# Altium PCB tagIT_pcb.PcbDoc (part 1 of 2) (continued)
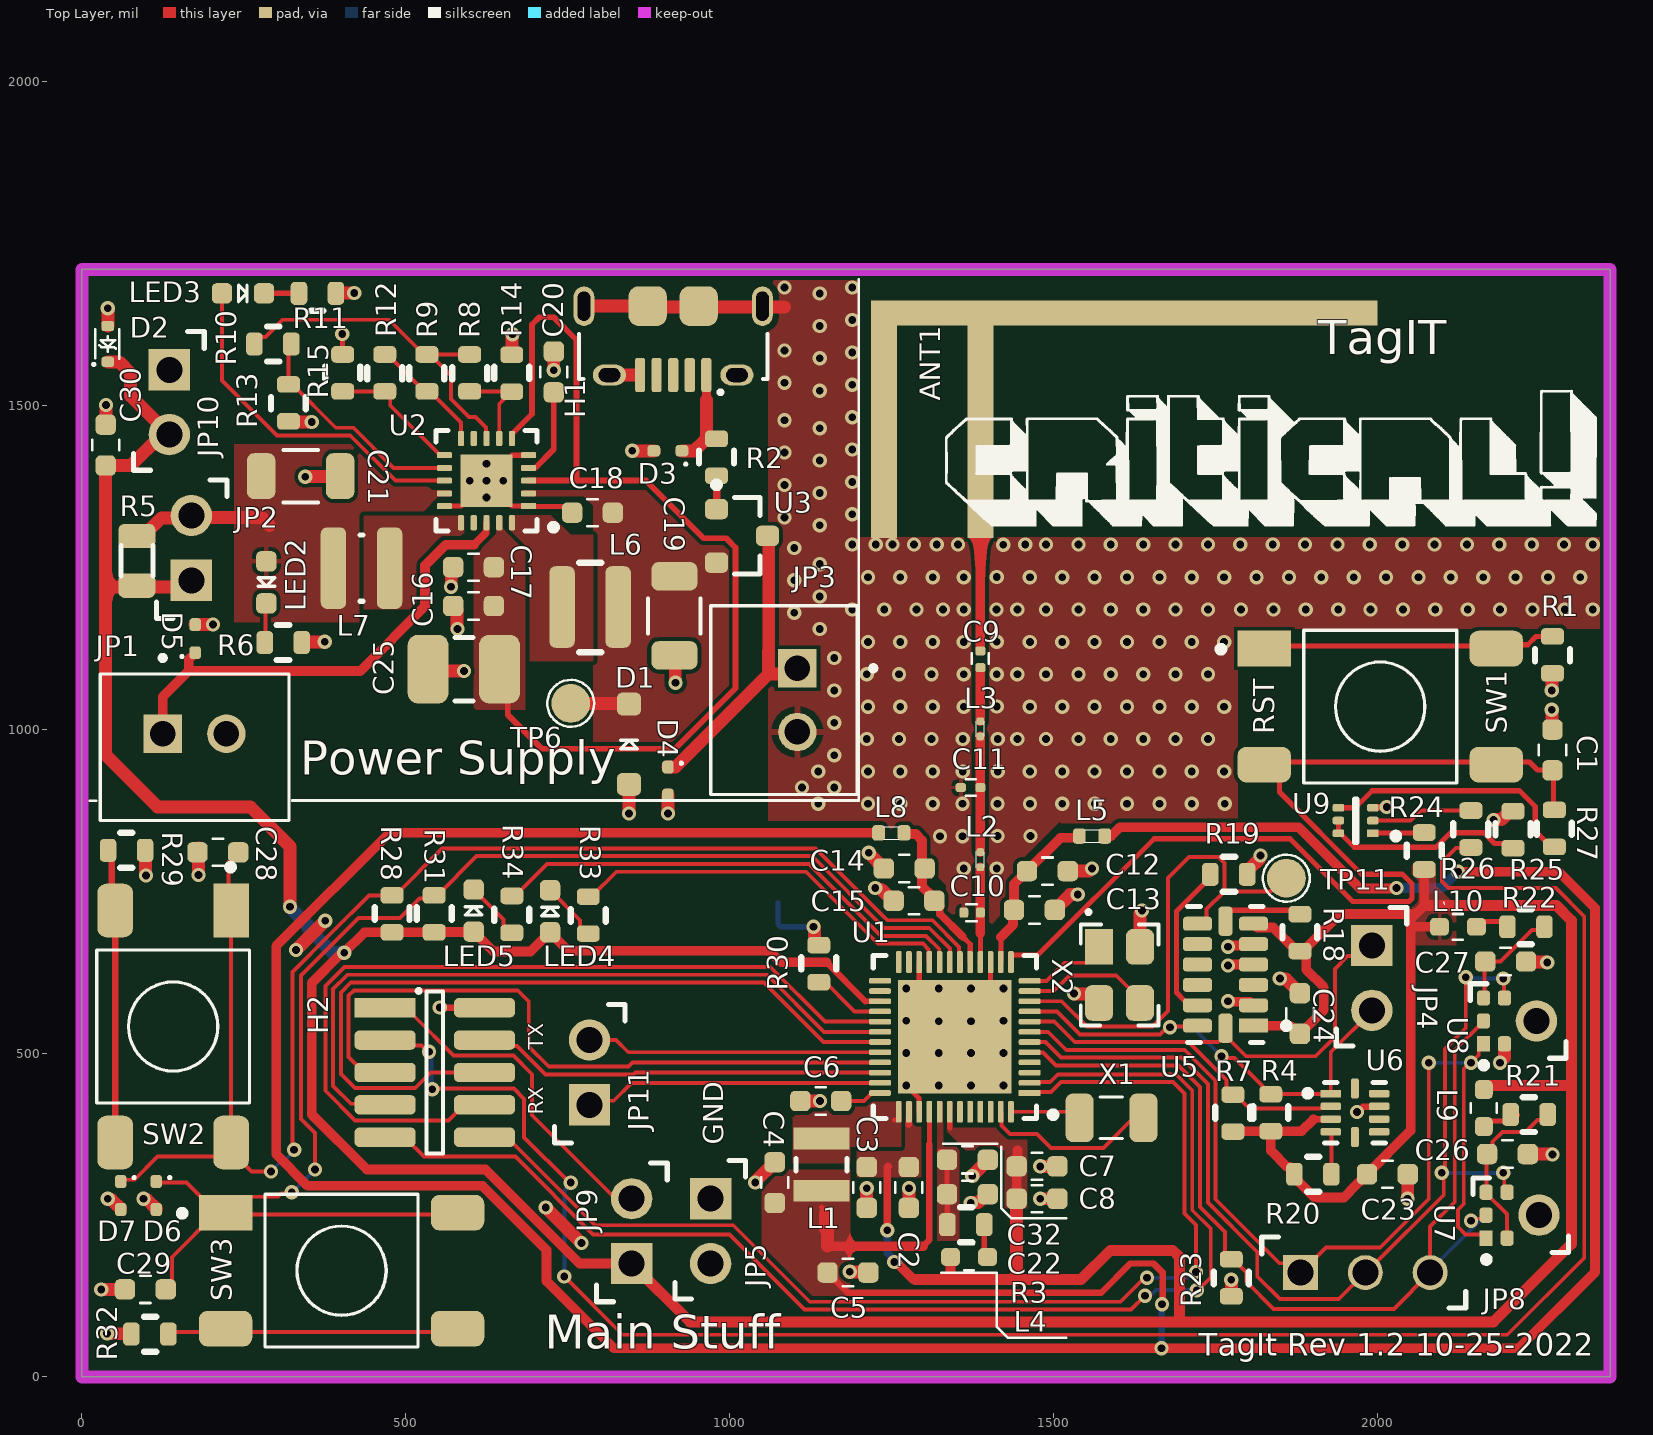
[diagram p0: Top Layer view]
## Part data (continued)
R3 R21 R22: library part RNCP0603FTD1R00, "Res Thin Film 0603 1 Ohm 1% 0.125W(1/8W) ±100ppm/C Sulfur Resistant Pad SMD T/R", Case Code (Imperial)=0603, Case Code (Metric)=1608, Manufacturer="Stackpole Electronics", Max Operating Temperature=155°C, Max Power Dissipation=125mW, Min Operating Temperature=-55°C, Resistance=1R, Resistor Type="Thin Film", Temperature Coefficient=100ppm/°C, Tolerance=1%, Case/Package=0603, Category="Chip SMD Resistors", ComponentLink1Description=http://www.seielect.com/Catalog/SEI-rncp.pdf?src-supplier=Digi-Key, ComponentLink1URL=http://www.seielect.com/Catalog/SEI-rncp.pdf?src-supplier=Digi-Key, ComponentLink2Description=https://www.seielect.com/catalog/SEI-Packaging.pdf?src-supplier=Digi-Key, ComponentLink2URL=https://www.seielect.com/catalog/SEI-Packaging.pdf?src-supplier=Digi-Key, Features="Moisture Resistant,Anti-Sulfur", Height=0.02inch, Length=0.059inch, Manufacturer Part Number=RNCP0603FTD1R00, Mount="Surface Mount", Number of Terminations=2, Packaging="Tape and Reel", Pricing 1="1=0.10000, 10=0.06100, 100=0.02480, 1000=0.01113, 2500=0.00966 (USD)", RoHS=Yes, RoHS Compliant=Yes, Series=RNCP, Stock 1=1078856, Supplier 1=Digi-Key, Width=0.031inch
R4 R7: library part RC0603FR-072K8L, "Res Thick Film 0603 2.8K Ohm 1% 1/10W ±100ppm/°C Molded SMD Paper T/R", Case Code (Imperial)=0603, Case Code (Metric)=1608, Manufacturer=Yageo, Max Operating Temperature=155°C, Max Power Dissipation=100mW, Min Operating Temperature=-55°C, Package Quantity=1, Resistance=2.8kR, Resistor Type="Thick Film", Temperature Coefficient=100ppm/°C, Tolerance=1%, Voltage Rating=50V, Case/Package=0603, Category="Chip SMD Resistors", ComponentLink1Description=https://datasheet.ciiva.com/2454/pyu-r-int-thick-7-2454661.pdf?src-supplier=Digi-Key, ComponentLink1URL=https://datasheet.ciiva.com/2454/pyu-r-int-thick-7-2454661.pdf?src-supplier=Digi-Key, ComponentLink2Description=https://datasheet.ciiva.com/2454/pyu-r-int-thick-7-2454662.pdf?src-supplier=Digi-Key, ComponentLink2URL=https://datasheet.ciiva.com/2454/pyu-r-int-thick-7-2454662.pdf?src-supplier=Digi-Key, ComponentLink3Description=https://datasheet.ciiva.com/2454/pyu-r-int-thick-7-2454660.pdf?src-supplier=Digi-Key, ComponentLink3URL=https://datasheet.ciiva.com/2454/pyu-r-int-thick-7-2454660.pdf?src-supplier=Digi-Key, ComponentLink4Description=https://datasheet.ciiva.com/8894/pyu-rc0603-51-rohs-l-4-8894069.pdf?src-supplier=Avnet, ComponentLink4URL=https://datasheet.ciiva.com/8894/pyu-rc0603-51-rohs-l-4-8894069.pdf?src-supplier=Avnet, Construction=Rectangular, Contact Plating=Tin,Matte, Depth=0.8mm, Features="Moisture Resistant", Height=0.022inch, Lead Free="Lead Free", Length=0.063inch, Manufacturer Part Number=RC0603FR-072K8L, Military Standard=Not, Number of Terminations=2, Packaging="Tape and Reel", Power Rating=100mW, Pricing 1="1=0.10000, 10=0.02200, 100=0.00890, 1000=0.00402, 2500=0.00349 (USD)", Radiation Hardening=No, RoHS=Yes, RoHS Compliant=Yes, Series=RC, Size Code=0603, Stock 1=169911, Supplier 1=Digi-Key, Termination=SMD/SMT, Voltage Rating (DC)=50V, Width=0.031inch
R5: library part RCS08051R00FKEA, "Res Thick Film 0805 1 Ohm 1% 0.4W ±100ppm/°C Pad SMD Automotive Medical T/R", Case Code (Imperial)=0805, Case Code (Metric)=2012, Manufacturer="Vishay Dale", Max Operating Temperature=155°C, Max Power Dissipation=400mW, Min Operating Temperature=-55°C, Resistance=1R, Resistor Type="Thick Film", Temperature Coefficient=100ppm/°C, Tolerance=1%, Case/Package=0805, Category="Chip SMD Resistors", ComponentLink1Description=http://www.vishay.com/docs/20065/rcse3.pdf?src-supplier=Digi-Key, ComponentLink1URL=http://www.vishay.com/docs/20065/rcse3.pdf?src-supplier=Digi-Key, Features="Automotive AEC-Q200", Height=0.02inch, Length=0.079inch, Manufacturer Part Number=RCS08051R00FKEA, Number of Terminations=2, Packaging="Tape and Reel", Pricing 1="1=0.34000, 10=0.28700, 100=0.11210, 1000=0.04693, 2500=0.04302 (USD)", RoHS=Yes, Stock 1=22047, Supplier 1=Digi-Key, Width=0.049inch
R6 R11 R33 R34: library part CPF0603F100RC1, "Res Thin Film 0603 100 Ohm 1% 1/16W ±50ppm/C Molded SMD Paper T/R", Case Code (Imperial)=0603, Case Code (Metric)=1608, Manufacturer="TE Connectivity Neohm", Max Operating Temperature=155°C, Min Operating Temperature=-55°C, Number of Resistors=1, Package Quantity=1000, Power Rating=63mW, Resistance=100R, Resistance Tolerance=1%, Resistor Type="Thin Film", Temperature Coefficient=50ppm/°C, Voltage Rating=50V, Voltage Rating (DC)=60V, Case/Package=0603, Category="Chip SMD Resistors", ComponentLink1Description=https://datasheet.ciiva.com/22692/1786775-22692856.pdf?src-supplier=Element14, ComponentLink1URL=https://datasheet.ciiva.com/22692/1786775-22692856.pdf?src-supplier=Element14, ComponentLink2Description=https://datasheet.ciiva.com/7789/eng-ds-1773200-j-7789558.pdf?src-supplier=Element14, ComponentLink2URL=https://datasheet.ciiva.com/7789/eng-ds-1773200-j-7789558.pdf?src-supplier=Element14, ComponentLink3Description=https://datasheet.ciiva.com/12727/eng-ds-1773200-i-12727575.pdf?src-supplier=Mouser, ComponentLink3URL=https://datasheet.ciiva.com/12727/eng-ds-1773200-i-12727575.pdf?src-supplier=Mouser, ELV=Compliant, Height=0.45mm, Length=1.55mm, Manufacturer Part Number=CPF0603F100RC1, Mount="Surface Mount", Number of Pins=2, Number of Terminations=2, Packaging="Tape and Reel", Pricing 1="1=0.20000, 10=0.16700, 100=0.06540 (USD)", REACH SVHC=Unknown, RoHS=Yes, RoHS Compliant=Yes, Series=CPF, Stock 1=275280, Supplier 1=Digi-Key, Termination=Solder, Tolerance=1%, Weight=7.1E-05oz, Width=0.8mm
R8: library part RMCF0603FT7M32, "Res Thick Film 0603 7.32M Ohm 1% 1/10W ±200ppm/°C Molded SMD SMD Paper T/R", Case/Package=0603, Manufacturer="Stackpole Electronics", Max Operating Temperature=155°C, Min Operating Temperature=-55°C, Resistance=7.32MR, Resistor Type="Thick Film", Temperature Coefficient=200ppm/°C, Tolerance=1%, Category="Chip SMD Resistors", ComponentLink1Description=https://www.seielect.com/catalog/SEI-RMCF_RMCP.pdf?src-supplier=Avnet, ComponentLink1URL=https://www.seielect.com/catalog/SEI-RMCF_RMCP.pdf?src-supplier=Avnet, ComponentLink2Description=https://www.seielect.com/catalog/sei-rmcf_rmcp.pdf?src-supplier=Digi-Key, ComponentLink2URL=https://www.seielect.com/catalog/sei-rmcf_rmcp.pdf?src-supplier=Digi-Key, Contact Plating=Tin,Matte, Manufacturer Part Number=RMCF0603FT7M32, Mount="Surface Mount", Packaging="Tape and Reel", Pricing 1="1=0.10000, 10=0.02300, 100=0.00940, 1000=0.00421, 2500=0.00366 (USD)", Radiation Hardening=No, RoHS=Yes, RoHS Compliant=Yes, Stock 1=1477, Supplier 1=Digi-Key
R9: library part RC0603FR-07412KL, "Res Thick Film 0603 412K Ohm 1% 0.1W(1/10W) ±100ppm/°C Pad SMD T/R", Case Code (Imperial)=0603, Case Code (Metric)=1608, Manufacturer=Yageo, Max Operating Temperature=155°C, Max Power Dissipation=100mW, Min Operating Temperature=-55°C, Package Quantity=1, Resistance=412kR, Resistor Type="Thick Film", Temperature Coefficient=100ppm/°C, Tolerance=1%, Voltage Rating (DC)=50V, Case/Package=0603, Category="Chip SMD Resistors", ComponentLink1Description=https://datasheet.ciiva.com/2454/pyu-r-int-thick-7-2454490.pdf?src-supplier=Digi-Key, ComponentLink1URL=https://datasheet.ciiva.com/2454/pyu-r-int-thick-7-2454490.pdf?src-supplier=Digi-Key, ComponentLink2Description=https://datasheet.ciiva.com/2454/pyu-r-int-thick-7-2454491.pdf?src-supplier=Digi-Key, ComponentLink2URL=https://datasheet.ciiva.com/2454/pyu-r-int-thick-7-2454491.pdf?src-supplier=Digi-Key, ComponentLink3Description=https://datasheet.ciiva.com/2454/pyu-r-int-thick-7-2454489.pdf?src-supplier=Digi-Key, ComponentLink3URL=https://datasheet.ciiva.com/2454/pyu-r-int-thick-7-2454489.pdf?src-supplier=Digi-Key, Construction=Rectangular, Depth=0.8mm, Features="Moisture Resistant", Height=0.022inch, Lead Free="Lead Free", Length=1.6mm, Manufacturer Part Number=RC0603FR-07412KL, Military Standard=Not, Number of Terminations=2, Packaging="Tape and Reel", Pricing 1="1=0.10000, 10=0.02200, 100=0.00890, 1000=0.00402, 2500=0.00349 (USD)", RoHS=Yes, RoHS Compliant=Yes, Series=RC, Stock 1=319747, Supplier 1=Digi-Key, Width=0.031inch
R10: library part CRCW06037M68FKEA, "Res Thick Film 0603 7.68M Ohm 1% 1/10W ±100ppm/°C Molded SMD SMD Paper T/R", Case Code (Imperial)=0603, Case Code (Metric)=1608, Manufacturer=Vishay, Max Operating Temperature=155°C, Max Power Dissipation=100mW, Min Operating Temperature=-55°C, Package Quantity=10, Resistance=7.68MR, Resistance Tolerance=1%, Resistor Type="Thick Film", Temperature Coefficient=100ppm/°C, Voltage Rating=75V, Case/Package=0603, Category="Chip SMD Resistors", ComponentLink1Description=https://datasheet.ciiva.com/2513/dcrcwe3-2513728.pdf?src-supplier=Digi-Key, ComponentLink1URL=https://datasheet.ciiva.com/2513/dcrcwe3-2513728.pdf?src-supplier=Digi-Key, ComponentLink2Description=https://datasheet.ciiva.com/2513/dcrcwe3-2513729.pdf?src-supplier=Digi-Key, ComponentLink2URL=https://datasheet.ciiva.com/2513/dcrcwe3-2513729.pdf?src-supplier=Digi-Key, ComponentLink3Description=https://datasheet.ciiva.com/2513/dcrcwe3-2513730.pdf?src-supplier=Digi-Key, ComponentLink3URL=https://datasheet.ciiva.com/2513/dcrcwe3-2513730.pdf?src-supplier=Digi-Key, ComponentLink4Description=https://datasheet.ciiva.com/9058/dcrcwe3-9058123.pdf?src-supplier=Avnet, ComponentLink4URL=https://datasheet.ciiva.com/9058/dcrcwe3-9058123.pdf?src-supplier=Avnet, ComponentLink5Description=https://datasheet.ciiva.com/5547/dcrcwe3-109170-5547324.pdf?src-supplier=Mouser, ComponentLink5URL=https://datasheet.ciiva.com/5547/dcrcwe3-109170-5547324.pdf?src-supplier=Mouser, ComponentLink6Description=https://datasheet.ciiva.com/7748/1697337-7748709.pdf?src-supplier=Element14, ComponentLink6URL=https://datasheet.ciiva.com/7748/1697337-7748709.pdf?src-supplier=Element14, ComponentLink7Description=https://datasheet.ciiva.com/7748/1697337-7748710.pdf?src-supplier=Element14, ComponentLink7URL=https://datasheet.ciiva.com/7748/1697337-7748710.pdf?src-supplier=Element14, ComponentLink8Description=https://datasheet.ciiva.com/46441/1700796-46441596.pdf?src-supplier=Element14, ComponentLink8URL=https://datasheet.ciiva.com/46441/1700796-46441596.pdf?src-supplier=Element14, Construction=Rectangular, Contact Plating=Tin, Depth=0.85mm, Features="Automotive AEC-Q200", Height=0.02inch, Lead Free="Lead Free", Length=1.55mm, Manufacturer Part Number=CRCW06037M68FKEA, Military Standard=Not, Number of Terminations=2, Packaging="Tape and Reel", Power Rating=100mW, Pricing 1="1=0.10000, 10=0.03700, 100=0.01490, 1000=0.00670, 2500=0.00582 (USD)", REACH SVHC=Unknown, RoHS=Yes, RoHS Compliant=Yes, Series=CRCW, Stock 1=4504, Supplier 1=Digi-Key, Tolerance=1%, Voltage Rating (DC)=75V, Weight=7.1E-05oz, Width=0.033inch
R12: library part RCV25127M50FKEGAT, "7.5MOhm ±5% 1/10W 0603", Manufacturer=Vishay, Manufacturer Part Number=RCV25127M50FKEGAT, Pricing 1="1=1.39000, 10=1.23000, 50=1.23000, 100=0.89200, 1000=0.58600, 10000=0.58500 (USD)", RoHS=No, Stock 1=1228, Supplier 1=Mouser
R13: library part CRCW06035M23FKEA, "Res Thick Film 0603 5.23M Ohm 1% 1/10W ±100ppm/°C Molded SMD SMD Paper T/R", Case Code (Imperial)=0603, Case Code (Metric)=1608, Manufacturer=Vishay, Max Operating Temperature=155°C, Max Power Dissipation=100mW, Min Operating Temperature=-55°C, Package Quantity=10, Resistance=5.23MR, Resistance Tolerance=1%, Resistor Type="Thick Film", Temperature Coefficient=100ppm/°C, Voltage Rating=75V, Case/Package=0603, Category="Chip SMD Resistors", ComponentLink1Description=https://datasheet.ciiva.com/5541/dcrcwe3-109170-5541621.pdf?src-supplier=Mouser, ComponentLink1URL=https://datasheet.ciiva.com/5541/dcrcwe3-109170-5541621.pdf?src-supplier=Mouser, ComponentLink2Description=https://datasheet.ciiva.com/2525/dcrcwe3-2525359.pdf?src-supplier=Digi-Key, ComponentLink2URL=https://datasheet.ciiva.com/2525/dcrcwe3-2525359.pdf?src-supplier=Digi-Key, ComponentLink3Description=https://datasheet.ciiva.com/2525/dcrcwe3-2525360.pdf?src-supplier=Digi-Key, ComponentLink3URL=https://datasheet.ciiva.com/2525/dcrcwe3-2525360.pdf?src-supplier=Digi-Key, ComponentLink4Description=https://datasheet.ciiva.com/2525/dcrcwe3-2525361.pdf?src-supplier=Digi-Key, ComponentLink4URL=https://datasheet.ciiva.com/2525/dcrcwe3-2525361.pdf?src-supplier=Digi-Key, ComponentLink5Description=https://datasheet.ciiva.com/22676/1700796-22676828.pdf?src-supplier=Element14, ComponentLink5URL=https://datasheet.ciiva.com/22676/1700796-22676828.pdf?src-supplier=Element14, ComponentLink6Description=https://datasheet.ciiva.com/22708/1697337-22708351.pdf?src-supplier=Element14, ComponentLink6URL=https://datasheet.ciiva.com/22708/1697337-22708351.pdf?src-supplier=Element14, Construction=Rectangular, Contact Plating=Tin, Depth=0.85mm, Features="Automotive AEC-Q200", Height=0.02inch, Lead Free="Lead Free", Length=1.55mm, Manufacturer Part Number=CRCW06035M23FKEA, Military Standard=Not, Number of Pins=2, Number of Terminations=2, Packaging="Tape and Reel", Power Rating=100mW, Pricing 1="1=0.10000, 10=0.03700, 100=0.01490, 1000=0.00670, 2500=0.00582 (USD)", REACH SVHC=Unknown, RoHS=Yes, RoHS Compliant=Yes, Series=CRCW, Stock 1=20000, Supplier 1=Digi-Key, Tolerance=1%, Voltage Rating (DC)=75V, Weight=7.1E-05oz, Width=0.033inch
R14: library part RMCF0603FT5M49, "Res Thick Film 0603 5.49M Ohm 1% 1/10W ±200ppm/°C Molded SMD SMD Paper T/R", Case/Package=0603, Manufacturer="Stackpole Electronics", Max Operating Temperature=155°C, Min Operating Temperature=-55°C, Resistance=5.49MR, Resistor Type="Thick Film", Temperature Coefficient=200ppm/°C, Tolerance=1%, Category="Chip SMD Resistors", ComponentLink1Description=https://www.seielect.com/catalog/sei-rmcf_rmcp.pdf?src-supplier=Digi-Key, ComponentLink1URL=https://www.seielect.com/catalog/sei-rmcf_rmcp.pdf?src-supplier=Digi-Key, ComponentLink2Description=https://www.seielect.com/catalog/SEI-RMCF_RMCP.pdf?src-supplier=Avnet, ComponentLink2URL=https://www.seielect.com/catalog/SEI-RMCF_RMCP.pdf?src-supplier=Avnet, Contact Plating=Tin,Matte, Manufacturer Part Number=RMCF0603FT5M49, Mount="Surface Mount", Packaging="Tape and Reel", Pricing 1="1=0.10000, 10=0.02300, 100=0.00940, 1000=0.00421, 2500=0.00366 (USD)", Radiation Hardening=No, RoHS=Yes, RoHS Compliant=Yes, Stock 1=8372, Supplier 1=Digi-Key
R15: library part AC0603FR-074M99L, "Res Thick Film 0603 4.99M Ohm 1% 0.1W(1/10W) ±100ppm/C Pad SMD Automotive T/R", Case/Package=0603, Manufacturer=Yageo, Max Operating Temperature=155°C, Max Power Dissipation=100mW, Min Operating Temperature=-55°C, Resistance=4.99MR, Resistor Type="Thick Film", Temperature Coefficient=100ppm/°C, Tolerance=1%, Category="Chip SMD Resistors", ComponentLink1Description=http://www.yageo.com/NewPortal/yageodocoutput?fileName=/pdf/R-Chip/PYu-AC_51_RoHS_L_6.pdf&src-supplier=Digi-Key, ComponentLink1URL=http://www.yageo.com/NewPortal/yageodocoutput?fileName=/pdf/R-Chip/PYu-AC_51_RoHS_L_6.pdf&src-supplier=Digi-Key, ComponentLink2Description=https://www.yageo.com/upload/media/product/productsearch/datasheet/rchip/PYu-AC_51_RoHS_L_7.pdf?src-supplier=Digi-Key, ComponentLink2URL=https://www.yageo.com/upload/media/product/productsearch/datasheet/rchip/PYu-AC_51_RoHS_L_7.pdf?src-supplier=Digi-Key, Features="Moisture Resistant,Automotive AEC-Q200", Height=0.022inch, Length=0.063inch, Manufacturer Part Number=AC0603FR-074M99L, Number of Terminations=2, Packaging="Tape and Reel", Pricing 1="1=0.10000, 10=0.02700, 100=0.01080, 1000=0.00486, 2500=0.00422 (USD)", RoHS=Yes, RoHS Compliant=Yes, Stock 1=194780, Supplier 1=Digi-Key, Width=0.031inch
R18 R19 R20 R24 R27: library part CPF0603F10KC1, "Res Thin Film 0603 10K Ohm 1% 0.063W(1/16W) ±50ppm/°C Pad SMD T/R", Case Code (Imperial)=0603, Case Code (Metric)=1608, Manufacturer="TE Connectivity Neohm", Max Operating Temperature=155°C, Max Power Dissipation=63mW, Min Operating Temperature=-55°C, Number of Resistors=1, Resistance=10kR, Resistance Tolerance=1%, Resistor Type="Thin Film", Temperature Coefficient=50ppm/°C, Voltage Rating=50V, Case/Package=0603, Category="Chip SMD Resistors", ComponentLink1Description=https://datasheet.ciiva.com/22692/1786775-22692861.pdf?src-supplier=Element14, ComponentLink1URL=https://datasheet.ciiva.com/22692/1786775-22692861.pdf?src-supplier=Element14, ComponentLink2Description=https://datasheet.ciiva.com/24494/29261eng-ds-1773200-f-24494553.pdf?src-supplier=Onlinecomponents.com, ComponentLink2URL=https://datasheet.ciiva.com/24494/29261eng-ds-1773200-f-24494553.pdf?src-supplier=Onlinecomponents.com, ComponentLink3Description=https://datasheet.ciiva.com/7789/eng-ds-1773200-j-7789563.pdf?src-supplier=Element14, ComponentLink3URL=https://datasheet.ciiva.com/7789/eng-ds-1773200-j-7789563.pdf?src-supplier=Element14, ELV=Compliant, Manufacturer Part Number=CPF0603F10KC1, Mount="Surface Mount", Number of Pins=2, Number of Terminations=2, Packaging="Tape and Reel", Power Rating=63mW, Pricing 1="1=0.20000, 10=0.16700, 100=0.06540 (USD)", Radiation Hardening=No, REACH SVHC=Unknown, RoHS=Yes, RoHS Compliant=Yes, Series="CPF, Neohm", Stock 1=568280, Supplier 1=Digi-Key, Termination=Solder, Tolerance=1%, Voltage Rating (DC)=50V, Width=0.8mm
R23: library part RMCF0603FT100K, "RES 100K OHM 1% 1/10W 0603", Case Code (Imperial)=0603, Case Code (Metric)=1608, Manufacturer="Stackpole Electronics", Max Operating Temperature=155°C, Max Power Dissipation=100mW, Min Operating Temperature=-55°C, Resistance=100kR, Resistor Type="Thick Film", Temperature Coefficient=100ppm/°C, Tolerance=1%, Working Voltage=75V, Case/Package=0603, Category="Chip SMD Resistors", ComponentLink1Description=https://datasheet.ciiva.com/15193/getdatasheetpartid-362597-15193437.pdf?src-supplier=Verical, ComponentLink1URL=https://datasheet.ciiva.com/15193/getdatasheetpartid-362597-15193437.pdf?src-supplier=Verical, Construction=Rectangular, Contact Plating=Tin,Matte, Depth=0.8mm, Features="Automotive AEC-Q200", Height=0.022inch, Lead Free="Lead Free", Length=1.55mm, Manufacturer Part Number=RMCF0603FT100K, Military Standard=Not, Mount="Surface Mount", Number of Terminations=2, Packaging="Tape and Reel", Power Rating=100mW, Pricing 1="1=0.10000, 10=0.01500, 100=0.00630, 1000=0.00281, 2500=0.00244 (USD)", Radiation Hardening=No, RoHS=Yes, RoHS Compliant=Yes, Series=RMCF, Stock 1=11965397, Supplier 1=Digi-Key, Width=0.031inch
R25 R26 R29 R30 R32: library part RMCF0603FT100R, "Res Thick Film 0603 100 Ohm 1% 1/10W ±100ppm/°C Molded SMD SMD Paper T/R", Case Code (Imperial)=0603, Case Code (Metric)=1608, Manufacturer="Stackpole Electronics", Max Operating Temperature=155°C, Max Power Dissipation=100mW, Min Operating Temperature=-55°C, Resistance=100R, Resistor Type="Thick Film", Temperature Coefficient=100ppm/°C, Tolerance=1%, Case/Package=0603, Category="Chip SMD Resistors", ComponentLink1Description=https://datasheet.ciiva.com/15215/getdatasheetpartid-360413-15215981.pdf?src-supplier=Verical, ComponentLink1URL=https://datasheet.ciiva.com/15215/getdatasheetpartid-360413-15215981.pdf?src-supplier=Verical, Construction=Rectangular, Contact Plating=Tin,Matte, Depth=0.8mm, Features="Automotive AEC-Q200", Height=0.022inch, Lead Free="Lead Free", Length=1.55mm, Manufacturer Part Number=RMCF0603FT100R, Military Standard=Not, Mount="Surface Mount", Number of Terminations=2, Packaging="Tape and Reel", Power Rating=100mW, Pricing 1="1=0.10000, 10=0.01500, 100=0.00630, 1000=0.00281, 2500=0.00244 (USD)", Radiation Hardening=No, RoHS=Yes, RoHS Compliant=Yes, Series=RMCF, Size Code=0603, Stock 1=5761986, Supplier 1=Digi-Key, Width=0.031inch
R28 R31: library part RMCF0603FT1M00, "Res Thick Film 0603 1M Ohm 1% 1/10W ±100ppm/°C Molded SMD Paper T/R", Case Code (Imperial)=0603, Case Code (Metric)=1608, Manufacturer="Stackpole Electronics", Max Operating Temperature=155°C, Max Power Dissipation=100mW, Min Operating Temperature=-55°C, Resistance=1MR, Resistor Type="Thick Film", Temperature Coefficient=100ppm/°C, Tolerance=1%, Working Voltage=75V, Case/Package=0603, Category="Chip SMD Resistors", ComponentLink1Description=https://datasheet.ciiva.com/15193/getdatasheetpartid-363151-15193451.pdf?src-supplier=Verical, ComponentLink1URL=https://datasheet.ciiva.com/15193/getdatasheetpartid-363151-15193451.pdf?src-supplier=Verical, Construction=Rectangular, Contact Plating=Tin,Matte, Depth=0.8mm, Features="Automotive AEC-Q200", Height=0.022inch, Lead Free="Lead Free", Length=1.55mm, Manufacturer Part Number=RMCF0603FT1M00, Military Standard=Not, Mount="Surface Mount", Number of Terminations=2, Packaging="Tape and Reel", Power Rating=100mW, Pricing 1="1=0.10000, 10=0.01500, 100=0.00630, 1000=0.00281, 2500=0.00244 (USD)", Radiation Hardening=No, RoHS=Yes, RoHS Compliant=Yes, Series=RMCF, Stock 1=3707981, Supplier 1=Digi-Key, Technology="THICK FILM", Width=0.031inch
SW1 SW2 SW3: library part FSM4JSMATR, "Switch Tactile OFF (ON) SPST Round Button Gull Wing 0.05A 12VDC 1.57N SMD T/R", Actuator Color=Black, Case/Package=SMD/SMT, Contact Current Rating=50mA, Contact Resistance=100mR, Manufacturer="TE Connectivity Alcoswitch", Max Operating Temperature=85°C, Max Voltage Rating (DC)=12V, Min Operating Temperature=-35°C, Operating Force=1.57N, Package Quantity=1, Actuator Length=1.4mm, Actuator Material=Polyphenylene, Actuator Type=Standard, Category="Pushbutton Switches", ComponentLink1Description=https://datasheet.ciiva.com/5801/eng-cd-2-1437565-7-u2-5801346.pdf?src-supplier=Farnell, ComponentLink1URL=https://datasheet.ciiva.com/5801/eng-cd-2-1437565-7-u2-5801346.pdf?src-supplier=Farnell, ComponentLink2Description=https://datasheet.ciiva.com/16320/eng-cs-1308111-1-switches-core-program-catalog-0308-16320065.pdf?src-supplier=Future+Electronics, ComponentLink2URL=https://datasheet.ciiva.com/16320/eng-cs-1308111-1-switches-core-program-catalog-0308-16320065.pdf?src-supplier=Future+Electronics, ComponentLink3Description=https://datasheet.ciiva.com/23765/1486934-23765878.pdf?src-supplier=Newark, ComponentLink3URL=https://datasheet.ciiva.com/23765/1486934-23765878.pdf?src-supplier=Newark, ComponentLink4Description=https://datasheet.ciiva.com/1530/1683375-1530944.pdf?src-supplier=Element14, ComponentLink4URL=https://datasheet.ciiva.com/1530/1683375-1530944.pdf?src-supplier=Element14, ComponentLink5Description=https://datasheet.ciiva.com/7638/921681-7638037.pdf?src-supplier=Element14, ComponentLink5URL=https://datasheet.ciiva.com/7638/921681-7638037.pdf?src-supplier=Element14, Connector Type=SMD/SMT, Contact Material="Copper,Silver,Copper Alloy", Contact Plating=Silver, Current Rating=50mA, Depth=10mm, Electrical Life=100000Cycles, ELV=Compliant, Illumination Type=Non-Illuminated,Illuminated, Lead Free="Lead Free", Length=6mm, Manufacturer Part Number=FSM4JSMATR, Max Current Rating=50mA, Mechanical Life=100000Cycles, Mount="Surface Mount", Orientation=Straight, Packaging="Tape and Reel", Pricing 1="1=0.36000, 10=0.35100, 25=0.33000, 100=0.28660, 250=0.26000, 500=0.24188 (USD)", Radiation Hardening=No, REACH SVHC=Unknown, RoHS=Yes, RoHS Compliant=Yes, Series=FSMJSMA, Stock 1=196992, Supplier 1=Digi-Key, Switch Function=Off-Mom, Switch Travel=0.25mm, Termination="Gull Wing", Throw Configuration=SPST, Voltage Rating (DC)=12V
TP6 TP11: library part TP
U1: "MG24, 2.4 GHz, 1536kB Flash, 256kB RAM, +10 dBm, Secure Vault High, 20-bit ADC, MVP, +125C, QFN48", Manufacturer="Silicon Labs", Category="RF Receivers, Transceivers", Manufacturer Part Number=EFR32MG24B310F1536IM48-B, Pricing 1="1=11.85000, 10=10.86600, 25=9.87800, 80=8.89025, 230=8.14935, 440=7.40850, 945=6.73501 (USD)", RoHS=No, Stock 1=466, Supplier 1=Digi-Key
U2: "Conn Shrouded Header (4 Sides) HDR 2 POS 2.5mm Solder ST Thru-Hole Box", Case/Package=VQFN, Color=Natural, Contact Resistance=20mR, Current Rating=3A, Housing Color=White, Insulation Resistance=1GR, Manufacturer="Texas Instruments", Max Operating Temperature=125°C, Max Supply Voltage=5.1V, Max Voltage Rating (AC)=250V, Min Operating Temperature=-40°C, Min Supply Voltage=100mV, Operating Supply Current=488nA, Output Current=100mA, Package Quantity=250, Switching Frequency=1MHz, Category="Battery Management", ComponentLink1Description=https://datasheet.ciiva.com/28483/1768287-28483478.pdf?src-supplier=Element14, ComponentLink1URL=https://datasheet.ciiva.com/28483/1768287-28483478.pdf?src-supplier=Element14, ComponentLink2Description=https://datasheet.ciiva.com/24110/slusbh2c-317150-24110945.pdf?src-supplier=Mouser, ComponentLink2URL=https://datasheet.ciiva.com/24110/slusbh2c-317150-24110945.pdf?src-supplier=Mouser, ComponentLink3Description=https://datasheet.ciiva.com/29590/bq25570-29590197.pdf?src-supplier=Digi-Key, ComponentLink3URL=https://datasheet.ciiva.com/29590/bq25570-29590197.pdf?src-supplier=Digi-Key, ComponentLink4Description=https://datasheet.ciiva.com/29590/bq25570-29590198.pdf?src-supplier=Digi-Key, ComponentLink4URL=https://datasheet.ciiva.com/29590/bq25570-29590198.pdf?src-supplier=Digi-Key, ComponentLink5Description=https://datasheet.ciiva.com/29892/bq25570-29892857.pdf?src-supplier=Avnet, ComponentLink5URL=https://datasheet.ciiva.com/29892/bq25570-29892857.pdf?src-supplier=Avnet, ComponentLink6Description=https://datasheet.ciiva.com/29892/bq25570-29892856.pdf?src-supplier=Avnet, ComponentLink6URL=https://datasheet.ciiva.com/29892/bq25570-29892856.pdf?src-supplier=Avnet, ComponentLink7Description=https://datasheet.ciiva.com/11746/0900766b8082653e-11746979.pdf?src-supplier=RSComponents, ComponentLink7URL=https://datasheet.ciiva.com/11746/0900766b8082653e-11746979.pdf?src-supplier=RSComponents, ComponentLink8Description=https://datasheet.ciiva.com/26894/getdatasheetpartid-640357-26894434.pdf?src-supplier=Verical, ComponentLink8URL=https://datasheet.ciiva.com/26894/getdatasheetpartid-640357-26894434.pdf?src-supplier=Verical, ComponentLink9Description=https://datasheet.ciiva.com/26894/getdatasheetpartid-385291-26894760.pdf?src-supplier=Verical, ComponentLink9URL=https://datasheet.ciiva.com/26894/getdatasheetpartid-385291-26894760.pdf?src-supplier=Verical, ComponentLink10Description=https://datasheet.ciiva.com/8052/5448-8052024.pdf?src-supplier=Element14, ComponentLink10URL=https://datasheet.ciiva.com/8052/5448-8052024.pdf?src-supplier=Element14, Connector Type="Male Pin", Contact Material=Brass, Contact Plating=Gold, Contact Type="Male Pin", Depth=5.75mm, Fastening Type=Detent, Housing Material=Polyamide, Lead Free="Lead Free", Lead Pitch=2.5mm, Length=7.4mm, Manufacturer Part Number=BQ25570RGRT, Max Current Rating=3A, Max Voltage Rating (DC)=250V, Mount="Surface Mount", Number of Contacts=2, Number of Pins=20, Number of Positions=2, Number of Rows=1, Orientation=Straight, Packaging="Tape and Reel", Pitch=2.5mm, Pricing 1="1=8.95000, 10=8.08600, 25=7.71000, 100=6.69440 (USD)", Pricing 2="1=0.15000, 10=0.11800, 100=0.08680, 500=0.07182, 1000=0.06284, 5000=0.05386, 10000=0.05237 (USD)", Radiation Hardening=No, REACH SVHC="No SVHC", RoHS=Yes, RoHS Compliant=Yes, Series=XH, Stock 1=1643, Stock 2=594030, Supplier 1=Digi-Key, Supplier 2=Digi-Key, Supplier Part Number 2=455-2247-ND, Termination=Solder, Voltage Rating=250V, Voltage Rating (AC)=250V, Wire/Cable Gauge=22AWG
U3: "SDM40E20LC Series 20 V 400 mA Dual SMT Schottky Barrier Diode - SOT-23", Average Rectified Current=400mA, Case/Package=SOT-23, Forward Voltage=430mV, Manufacturer=Diodes, Max Forward Surge Current (Ifsm)=2A, Max Operating Temperature=125°C, Max Repetitive Reverse Voltage (Vrrm)=20V, Max Reverse Current=250uA, Min Operating Temperature=-65°C, Package Quantity=3000, Power Dissipation=225mW, Power Rating=300mW, Category="Schottky Diodes", ComponentLink1Description=https://datasheet.ciiva.com/905/ds30298-905328.pdf?src-supplier=Avnet, ComponentLink1URL=https://datasheet.ciiva.com/905/ds30298-905328.pdf?src-supplier=Avnet, ComponentLink2Description=https://datasheet.ciiva.com/16291/ds30298-16291048.pdf?src-supplier=Future+Electronics, ComponentLink2URL=https://datasheet.ciiva.com/16291/ds30298-16291048.pdf?src-supplier=Future+Electronics, ComponentLink3Description=https://datasheet.ciiva.com/906/ds30298-906396.pdf?src-supplier=Digi-Key, ComponentLink3URL=https://datasheet.ciiva.com/906/ds30298-906396.pdf?src-supplier=Digi-Key, ComponentLink4Description=https://datasheet.ciiva.com/906/ds30298-906397.pdf?src-supplier=Digi-Key, ComponentLink4URL=https://datasheet.ciiva.com/906/ds30298-906397.pdf?src-supplier=Digi-Key, Contact Plating=Tin,Matte, Element Configuration="Common Cathode", Forward Current=400mA, Height=1.1mm, Lead Free="Lead Free", Length=3mm, Manufacturer Part Number=SDM40E20LC-7, Max Reverse Voltage (DC)=20V, Mount="Surface Mount", Number of Pins=3, Packaging="Tape and Reel", Peak Non-Repetitive Surge Current=2A, Pricing 1="1=0.43000, 10=0.37100, 100=0.27680, 500=0.21750, 1000=0.16808 (USD)", Radiation Hardening=No, RoHS=Yes, RoHS Compliant=Yes, Series=-, Stock 1=257191, Supplier 1=Digi-Key, Weight=0.000282oz, Width=1.4mm
U5: "Accelerometer Triple ±2/±4/±8/±16g 2V to 3.6V 14-Pin LGA T/R", Case/Package=LGA, Manufacturer="Analog Devices", Max Operating Temperature=85°C, Max Supply Voltage=3.6V, Min Operating Temperature=-40°C, Min Supply Voltage=2V, Nominal Supply Current=140uA, Package Quantity=5000, -3db Bandwidth=320Hz, Axis="X, Y, Z", Bandwidth=0.05Hz, Category=Accelerometers, ComponentLink1Description=https://datasheet.ciiva.com/6484/adxl343-6484390.pdf?src-supplier=Digi-Key, ComponentLink1URL=https://datasheet.ciiva.com/6484/adxl343-6484390.pdf?src-supplier=Digi-Key, Contact Plating=Tin,Matte, Lead Free="Contains Lead", Manufacturer Part Number=ADXL343BCCZ-RL, Number of Pins=14, Output Type=Digital, Packaging="Tape and Reel", Pricing 1="1=3.87000, 10=3.47500, 25=3.28480, 100=2.84700, 500=2.42360, 1000=2.19000 (USD)", RoHS=Yes, RoHS Compliant=Yes, Sensitivity=256LSB/g, Series=-, Stock 1=38621, Supplier 1=Digi-Key, Supply Current=140uA
U6: "Ambient Light and Proximity Sensor Digital Output 1.8V/2.5V/3.3V 10-Pin QFN T/R", Case/Package=QFN, Manufacturer="Silicon Labs", Max Frequency=3.4MHz, Max Operating Temperature=85°C, Min Operating Temperature=-40°C, Operating Supply Current=4.3mA, Operating Supply Voltage=3.6V, Package Quantity=2500, Category="Optical Sensors", ComponentLink1Description=https://datasheet.ciiva.com/29171/si1145-46-47-29171280.pdf?src-supplier=Digi-Key, ComponentLink1URL=https://datasheet.ciiva.com/29171/si1145-46-47-29171280.pdf?src-supplier=Digi-Key, ComponentLink2Description=https://datasheet.ciiva.com/30009/si1145-46-47-30009559.pdf?src-supplier=Avnet, ComponentLink2URL=https://datasheet.ciiva.com/30009/si1145-46-47-30009559.pdf?src-supplier=Avnet, ComponentLink3Description=https://datasheet.ciiva.com/29171/supportdocuments2ftechnicaldocs2fsi1145-46-47-29171276.pdf?src-supplier=Digi-Key, ComponentLink3URL=https://datasheet.ciiva.com/29171/supportdocuments2ftechnicaldocs2fsi1145-46-47-29171276.pdf?src-supplier=Digi-Key, ComponentLink4Description=https://datasheet.ciiva.com/29171/supportdocuments2ftechnicaldocs2fsi1145-46-47-29171278.pdf?src-supplier=Digi-Key, ComponentLink4URL=https://datasheet.ciiva.com/29171/supportdocuments2ftechnicaldocs2fsi1145-46-47-29171278.pdf?src-supplier=Digi-Key, Manufacturer Part Number=Si1145-A10-GMR, Mount="Surface Mount", Number of Pins=10, Output Type=I2C, Packaging="Tape and Reel", Radiation Hardening=No, RoHS=Yes, RoHS Compliant=Yes, Sensing Distance=50cm, Sensing Method=Optical, Supplier 1=Digi-Key
U7 U8: "Mic Omni-Directional -26dB 3.63V Rectangular Solder Pad T/R", Manufacturer="TDK InvenSense", Operating Supply Current=550uA, Category=Microphones, ComponentLink1Description=http://www.farnell.com/datasheets/2632666.pdf?src-supplier=Farnell, ComponentLink1URL=http://www.farnell.com/datasheets/2632666.pdf?src-supplier=Farnell, ComponentLink2Description=https://www.invensense.com/wp-content/uploads/2016/02/DS-000069-ICS-43434-v1.2.pdf?src-supplier=Digi-Key, ComponentLink2URL=https://www.invensense.com/wp-content/uploads/2016/02/DS-000069-ICS-43434-v1.2.pdf?src-supplier=Digi-Key, ComponentLink3Description=https://www.invensense.com/wp-content/uploads/2016/02/PB-000018-ICS-43434-v1.1.pdf?src-supplier=Digi-Key, ComponentLink3URL=https://www.invensense.com/wp-content/uploads/2016/02/PB-000018-ICS-43434-v1.1.pdf?src-supplier=Digi-Key, ComponentLink4Description=http://www.farnell.com/datasheets/2632666.pdf?src-supplier=Element14, ComponentLink4URL=http://www.farnell.com/datasheets/2632666.pdf?src-supplier=Element14, ComponentLink5Description=http://www.farnell.com/datasheets/2632666.pdf?src-supplier=Newark, ComponentLink5URL=http://www.farnell.com/datasheets/2632666.pdf?src-supplier=Newark, Direction=Omnidirectional, Manufacturer Part Number=ICS-43434, Output Type=Digital, Packaging="Tape and Reel", Pricing 1="1=3.13000, 10=2.58500, 25=2.38480, 50=2.23980, 100=2.10030, 500=1.81194 (USD)", RoHS=No, RoHS Compliant=No, Shape=Rectangular, Stock 1=548338, Supplier 1=Digi-Key, Termination=Solder
U9: "Complementary Small Signal MOSFET with ESD protection 20V", Case/Package=SOT-563, Continuous Drain Current (ID)=430mA, Current Rating=540mA, Drain to Source Breakdown Voltage=-20V, Drain to Source Resistance=500mR, Drain to Source Voltage (Vdss)=20V, Gate to Source Voltage (Vgs)=6V, Input Capacitance=150pF, Manufacturer="ON Semiconductor", Max Operating Temperature=150°C, Max Power Dissipation=250mW, Min Operating Temperature=-55°C, Package Quantity=1, Threshold Voltage=1V, Category=MOSFETs, ComponentLink1Description=https://datasheet.ciiva.com/929/ntzd3155c-d-929088.pdf?src-supplier=Digi-Key, ComponentLink1URL=https://datasheet.ciiva.com/929/ntzd3155c-d-929088.pdf?src-supplier=Digi-Key, ComponentLink2Description=https://datasheet.ciiva.com/929/ntzd3155c-d-929088.pdf?src-supplier=Avnet, ComponentLink2URL=https://datasheet.ciiva.com/929/ntzd3155c-d-929088.pdf?src-supplier=Avnet, ComponentLink3Description=https://datasheet.ciiva.com/30479/0900766b81206080-30479716.pdf?src-supplier=RSComponents, ComponentLink3URL=https://datasheet.ciiva.com/30479/0900766b81206080-30479716.pdf?src-supplier=RSComponents, ComponentLink4Description=https://datasheet.ciiva.com/22641/1708317-22641695.pdf?src-supplier=Element14, ComponentLink4URL=https://datasheet.ciiva.com/22641/1708317-22641695.pdf?src-supplier=Element14, ComponentLink5Description=https://datasheet.ciiva.com/11168/ntzd3155c-d-11168219.pdf?src-supplier=Avnet, ComponentLink5URL=https://datasheet.ciiva.com/11168/ntzd3155c-d-11168219.pdf?src-supplier=Avnet, ComponentLink6Description=https://datasheet.ciiva.com/16210/ntzd3155c-d-16210198.pdf?src-supplier=Future+Electronics, ComponentLink6URL=https://datasheet.ciiva.com/16210/ntzd3155c-d-16210198.pdf?src-supplier=Future+Electronics, Contact Plating=Tin,Matte, Drain-source On Resistance-Max=500mR, Element Configuration=Dual, Fall Time=12ns, FET Type="N and P-Channel", Height=0.6mm, Lead Free="Lead Free", Length=1.7mm, Manufacturer Part Number=NTZD3155CT1G, Number of Elements=2, Number of Pins=6, On-State Resistance=500mR, Packaging="Tape and Reel", Polarity=P-CHANNEL, Power Dissipation=250mW, Pricing 1="1=0.40000, 10=0.32100, 100=0.21820, 500=0.16368, 1000=0.12276, 2000=0.11253 (USD)", Radiation Hardening=No, Rds On Max=550mR, REACH SVHC="No SVHC", Rise Time=12ns, RoHS=Yes, RoHS Compliant=Yes, Series=-, Stock 1=47838, Supplier 1=Digi-Key, Turn-Off Delay Time=35ns, Turn-On Delay Time=10ns, Width=1.3mm
X1: library part ECS-.327-7-34B-TR, "32.768kHz Â±20ppm Crystal 7pF 70 kOhms 2-SMD, No Lead", Package="SMD-2 ECS International", Availability=Unavailable, MF="ECS Inc.", MP=ECS-.327-7-34B-TR, Price=None, SnapEDA_Link=https://www.snapeda.com/parts/ECS-.327-7-34B-TR/ECS%20Inc./view-part/55054/?ref=snap
X2: library part ECS-390-CDX-1932, "Quartz Crystal 39MHz 10pF 4-Pin SMD T/R", Manufacturer="ECS International", Manufacturer Part Number=ECS-390-CDX-1932, Pricing 1="1=0.73000, 10=0.60600, 50=0.54540, 100=0.48480, 500=0.46056, 1000=0.38784, 2500=0.36360, 5000=0.35148, 10000=0.33936 (USD)", RoHS=No, Stock 1=1227, Supplier 1=Digi-Key

## Via types
v1: diameter 22, hole 12, Top Layer to Bottom Layer, tented both sides, 298 vias